# Altium PCB Main_Board.PcbDoc (part 1 of 3)
Units mil, origin at the board's own origin, x right, y up, seen from the top; angles counter-clockwise.
Board outline 5511.81 x 7874.02 mil, 2 copper layers (Top Layer, Bottom Layer); 358 components, 312 nets, 1221 pads, 226 vias.
Unrouted connection lines stored in the file: 6.
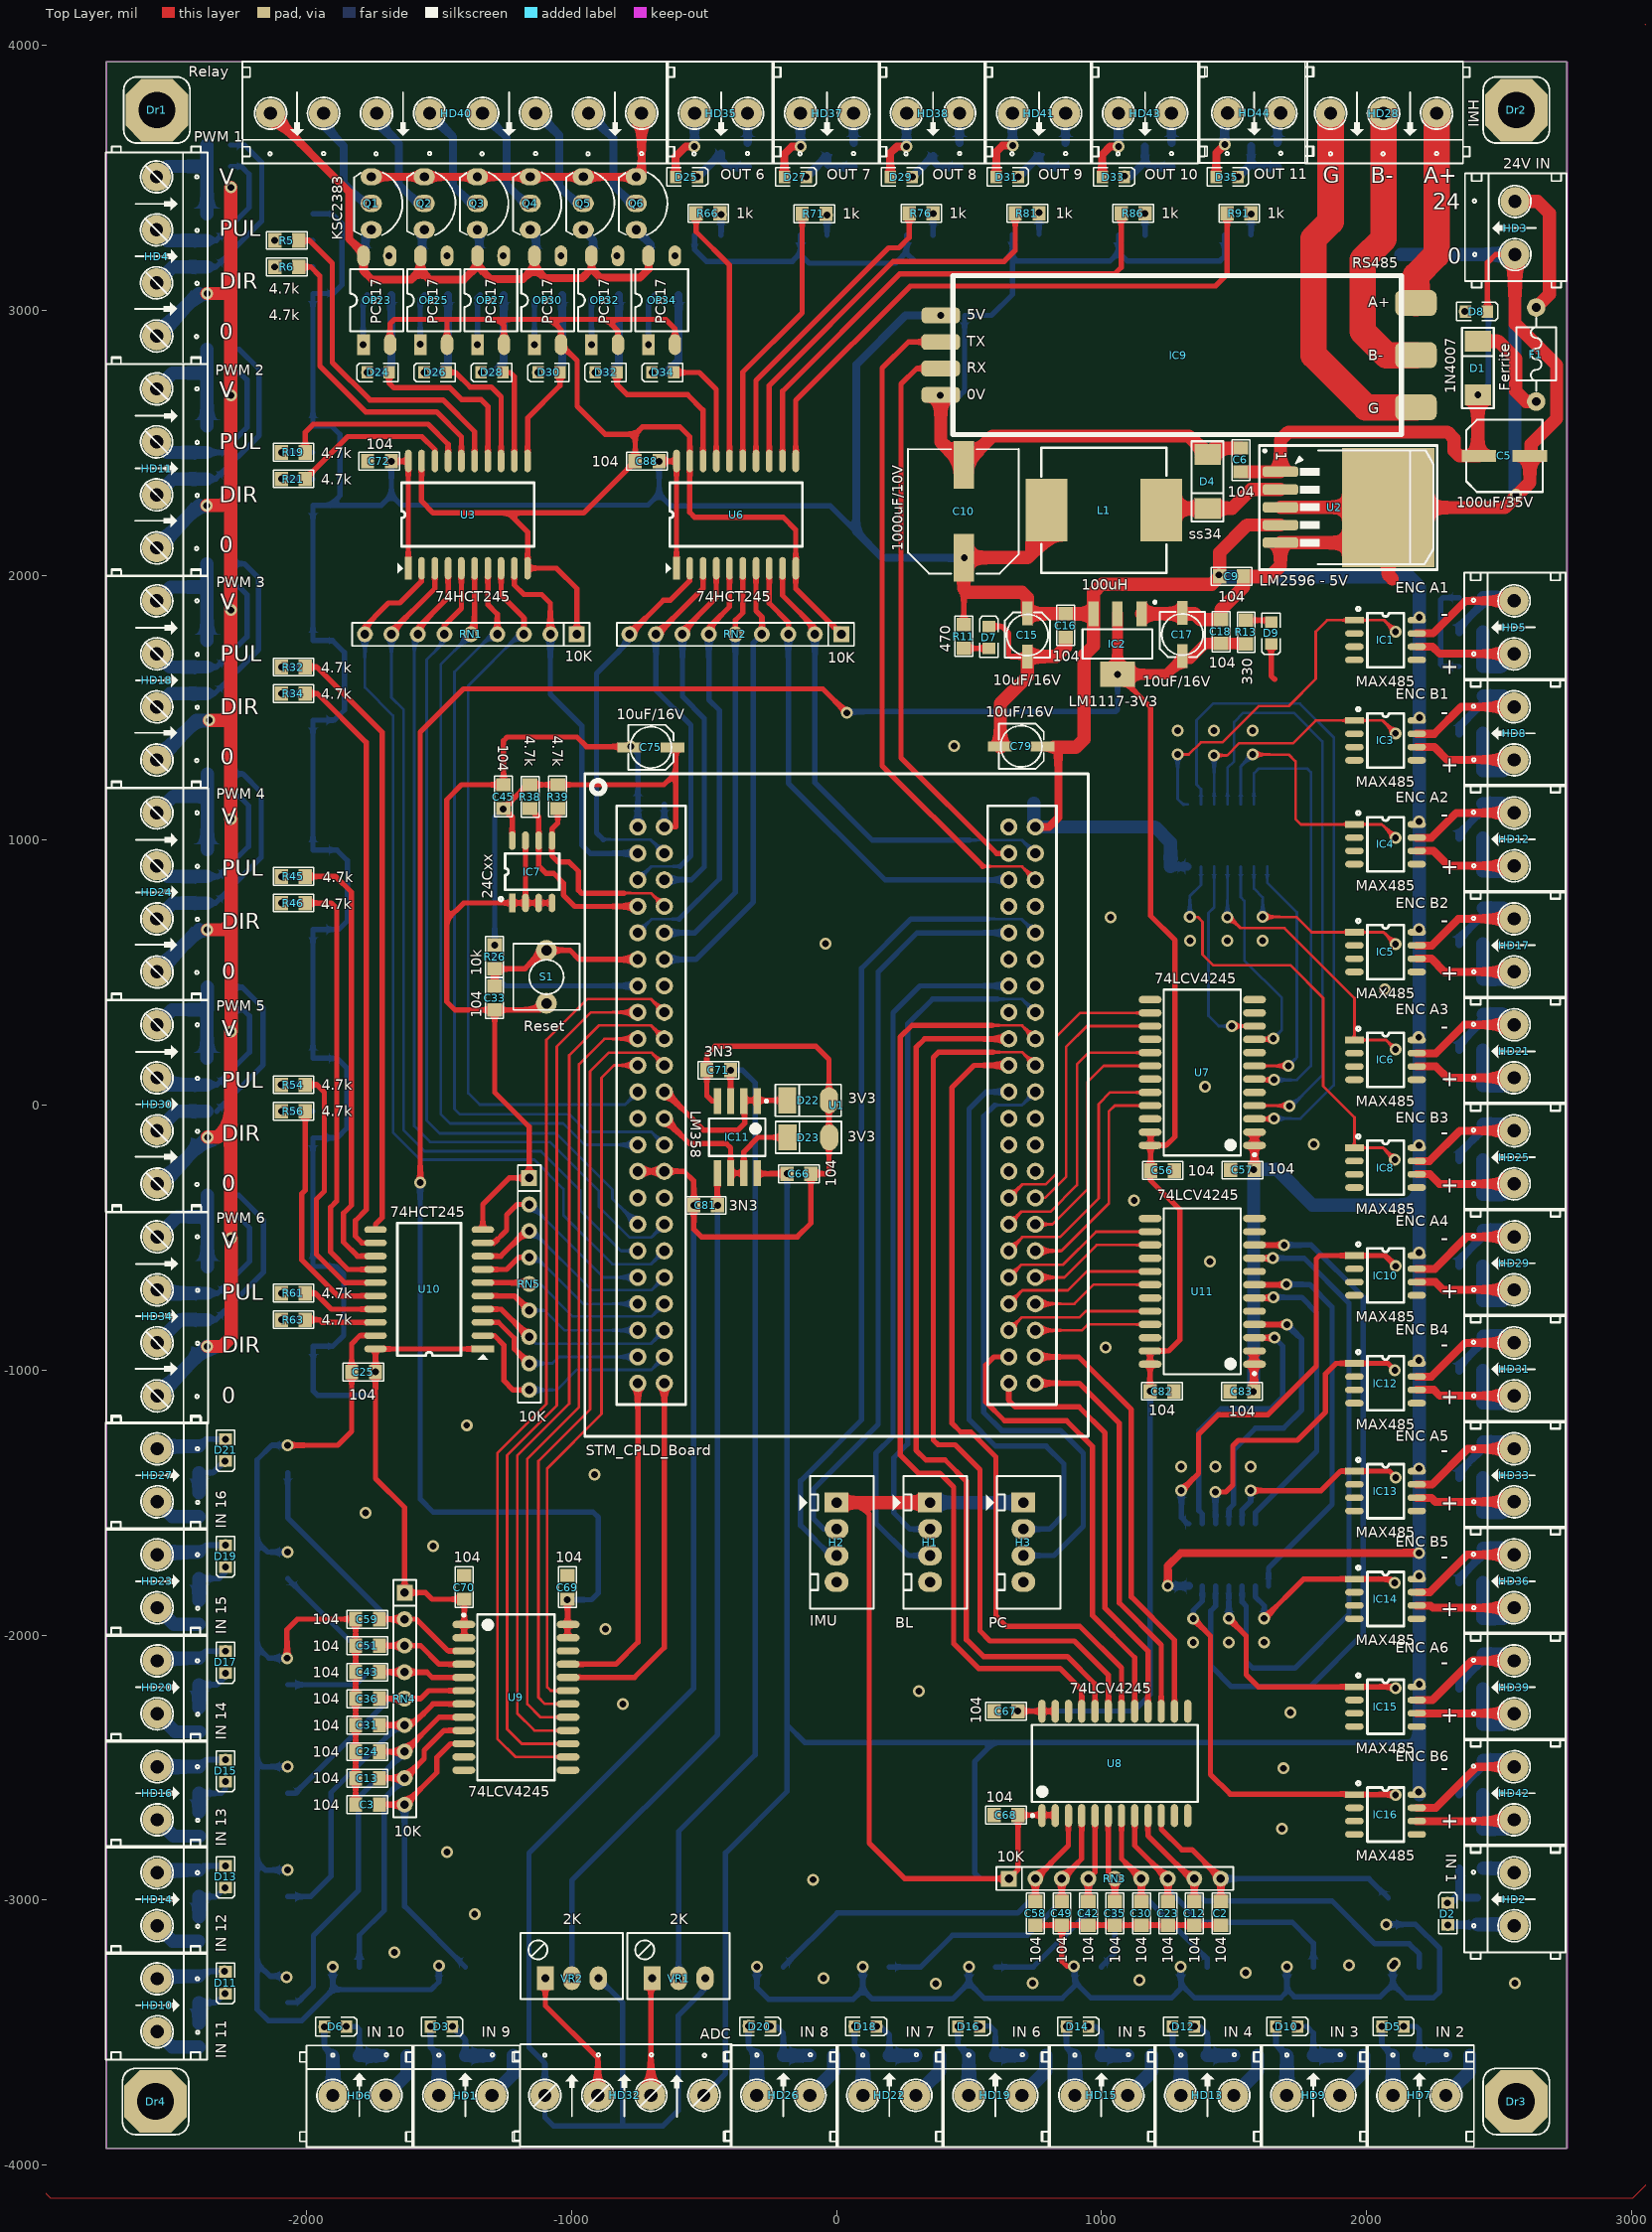
[diagram p0: Top Layer view]
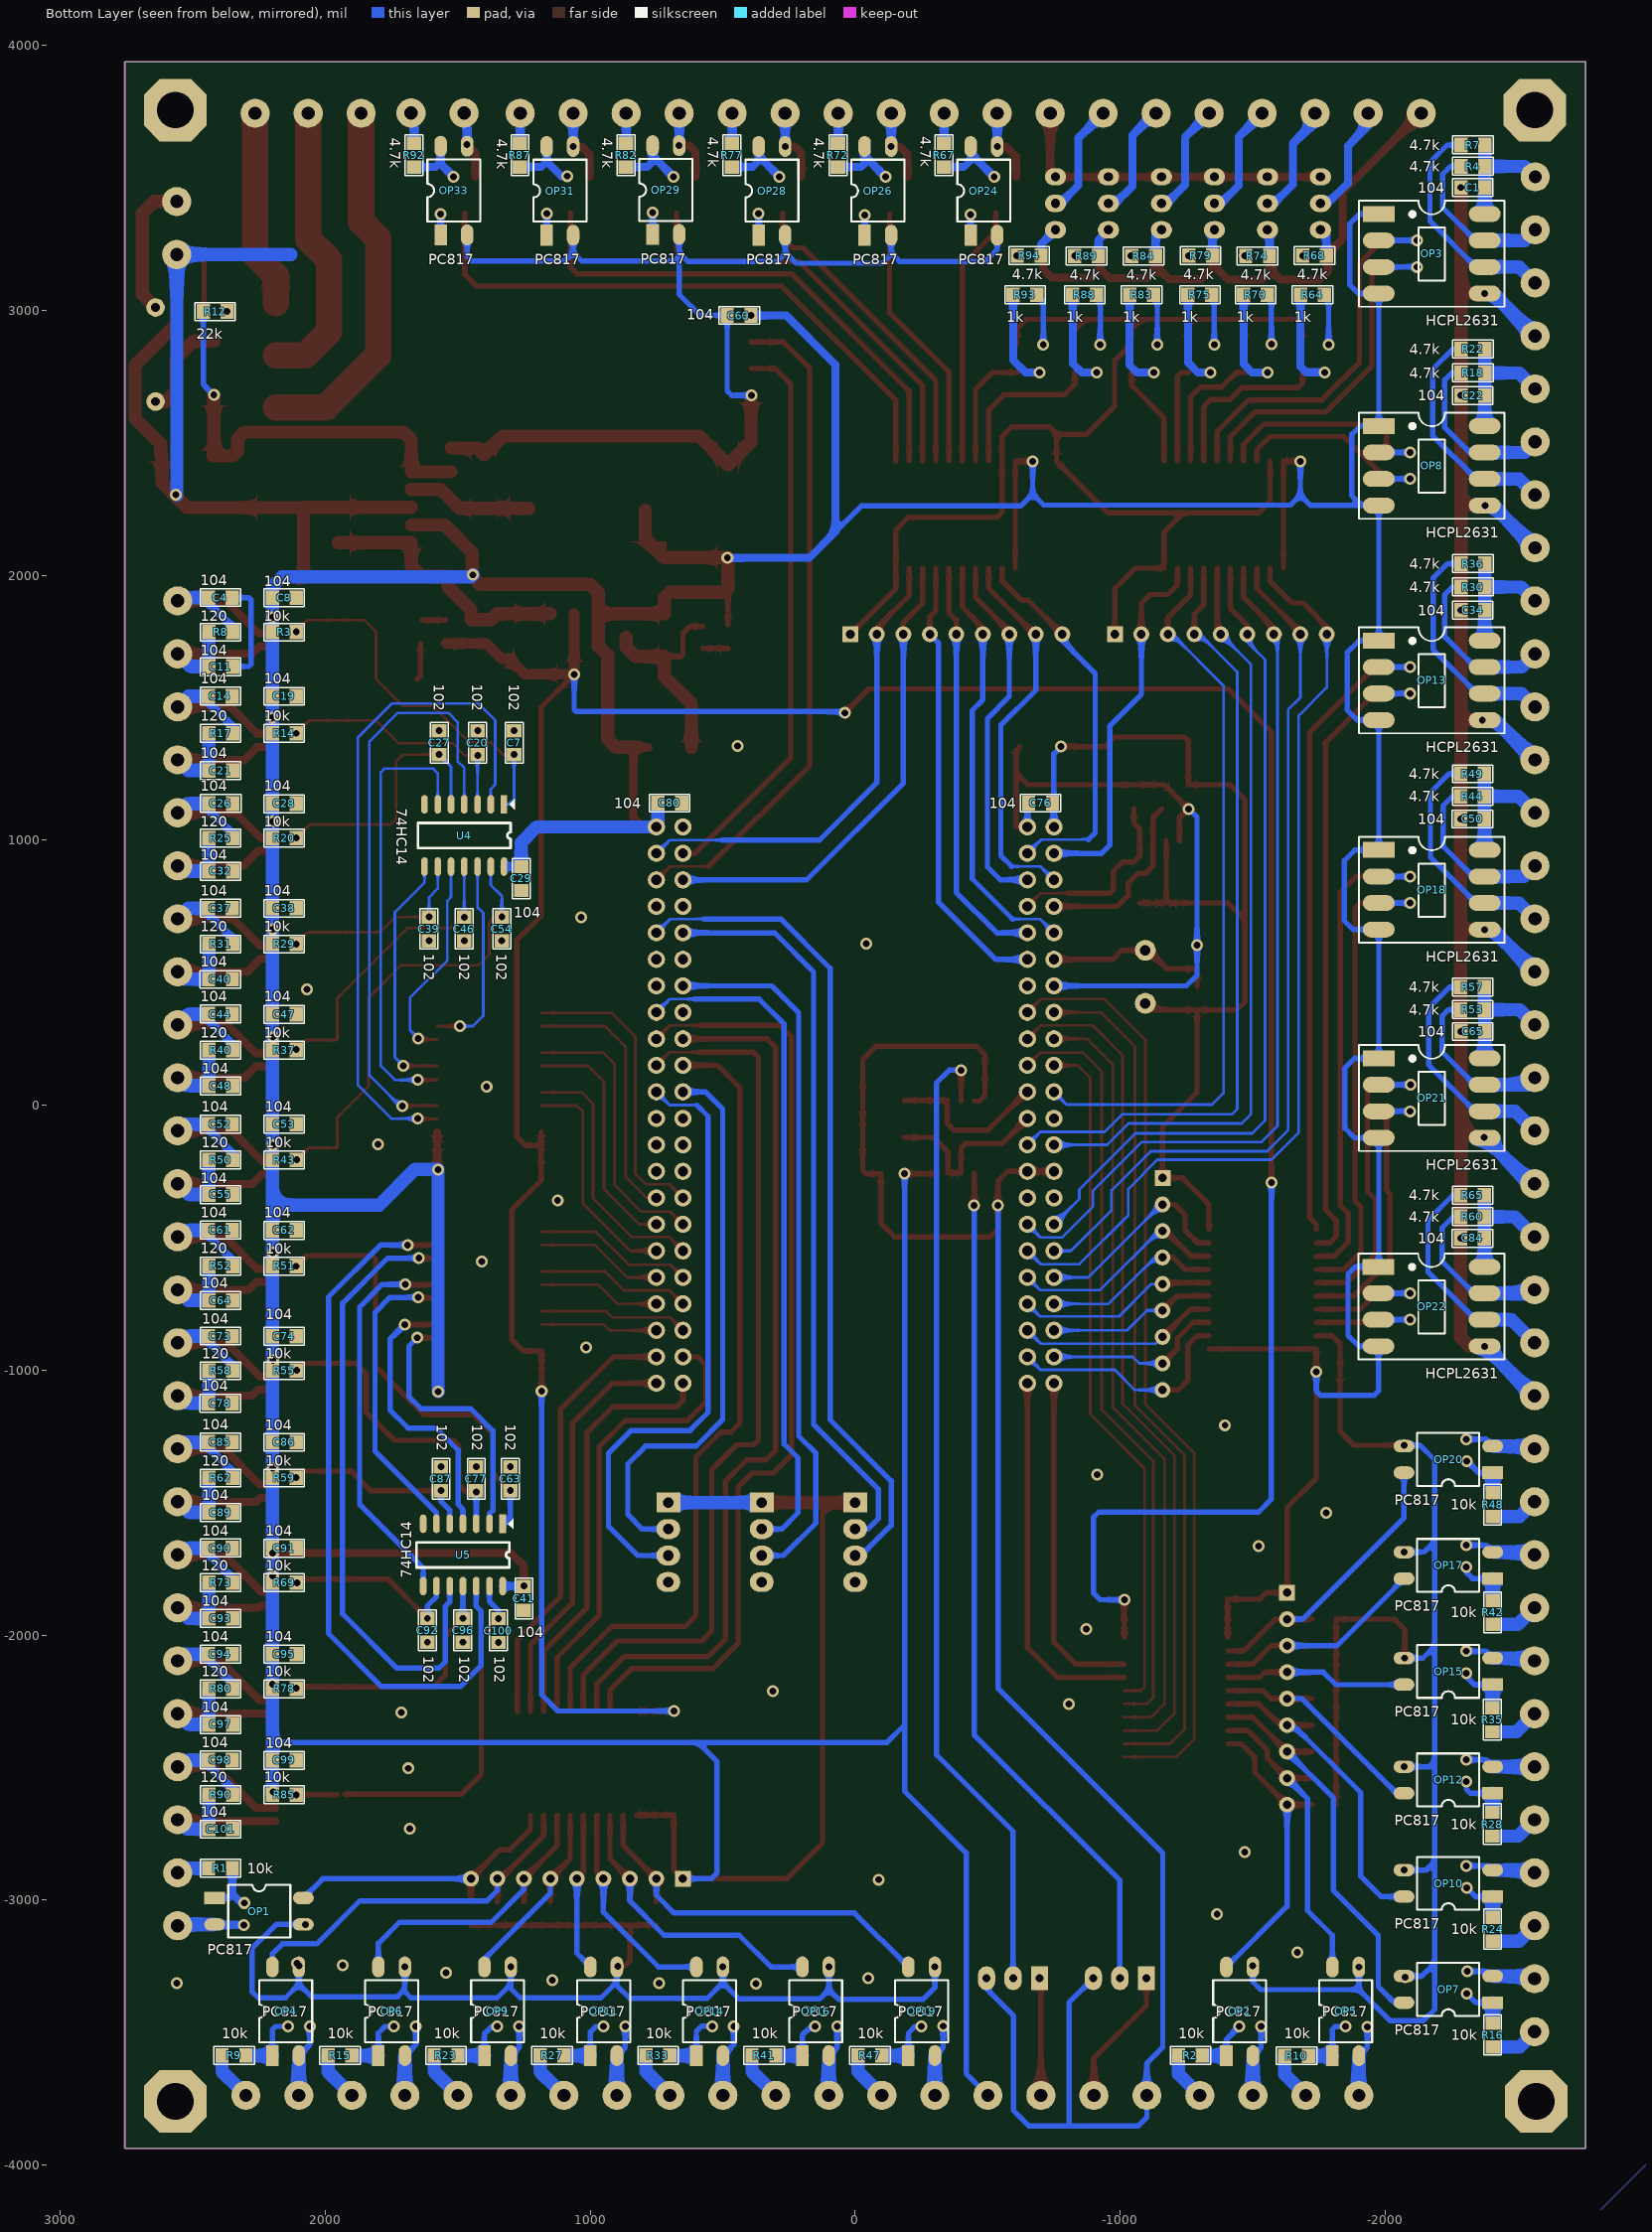
[diagram p1: Bottom Layer view, seen from below]

## Layer stack, top to bottom
Top Solder: solder mask 0.4, Solder Resist, Dk 3.5
Top Layer: signal copper 1.4
Dielectric 1: dielectric 12.6, FR-4, Dk 4.8
Bottom Layer: signal copper 1.4
Bottom Solder: solder mask 0.4, Solder Resist, Dk 3.5

## Board outline
-2755.91,-3937.01 2755.91,-3937.01 2755.91,3937.01 -2755.91,3937.01

## Design rules (kind name [scope] priority, off if disabled: settings)
Clearance Polygon [InPolygon] p1: gap=20
Clearance General [All] p2: gap=10
ComponentClearance [All] p1 off: gap=10 collisioncheckmode=3 verticalgap=10 showdistances=FALSE
PolygonConnect [All] p1: connectstyle=Relief reliefconductorwidth=10 reliefentries=4 polygonreliefangle="90 Angle" airgapwidth=10
RoutingVias [All] p1: holewidth=28 width=50 viastyle="Through Hole" minholewidth=24 minwidth=40 maxholewidth=26 maxwidth=45
SolderMaskExpansion [All] p1: expansion=4
Width [All] p1: maxlimit=100 minlimit=10 preferedwidth=50
29 further rules are at their usual default settings.

## Components (designator, comment, footprint, x,y, rotation, side; value= is the part's Value field where it differs from the comment)
C1 "104" CAP-SM-0805 -2285.91,3462.99 r180 bottom
C2 "104" CAP-SM-0805 1450,-3095 r90 top
C3 "104" CAP-SM-0805 -1815,-2640 r0 top
C4 "104" CAP-SM-0805 2350.09,1915 r0 bottom
C5 "100uF/35V" Cap_Alu_D8 2390,2450 r0 top
C6 "104" CAP-SM-0805 1525,2390 r90 top
C7 "102" CAP-SM-0805 1287,1323 r90 bottom
C8 "104" CAP-SM-0805 2199.09,1915 r180 bottom
C9 "104" CAP-SM-0805 1535,1995 r180 top
C10 "1000uF/10V" Cap_Alu_G 480,2400 r270 top
C11 "104" CAP-SM-0805 2439.09,1655 r180 bottom
C12 "104" CAP-SM-0805 1350,-3095 r90 top
C13 "104" CAP-SM-0805 -1815,-2540 r0 top
C14 "104" CAP-SM-0805 2350.09,1542.99 r0 bottom
C15 "10uF/16V" CAP_ALU_B 720,1855 r270 top
C16 "104" CAP-SM-0805 865,1855 r270 top
C17 "10uF/16V" CAP_ALU_B 1305,1695 r90 top
C18 "104" CAP-SM-0805 1450,1742 r90 top
C19 "104" CAP-SM-0805 2199.09,1542.99 r180 bottom
C20 "102" CAP-SM-0805 1425,1323 r90 bottom
C21 "104" CAP-SM-0805 2439.09,1262.99 r180 bottom
C22 "104" CAP-SM-0805 -2285.91,2677.99 r180 bottom
C23 "104" CAP-SM-0805 1250,-3095 r90 top
C24 "104" CAP-SM-0805 -1815,-2440 r0 top
C25 "104" CAP-SM-0805 -1830,-1007 r0 top
C26 "104" CAP-SM-0805 2349.09,1137.99 r0 bottom
C27 "102" CAP-SM-0805 1570,1323 r90 bottom
C28 "104" CAP-SM-0805 2199.09,1137.99 r180 bottom
C29 "104" CAP-SM-0805 1260,810 r90 bottom
C30 "104" CAP-SM-0805 1150,-3095 r90 top
C31 "104" CAP-SM-0805 -1815,-2340 r0 top
C32 "104" CAP-SM-0805 2439.09,882.99 r180 bottom
C33 "104" CAP-SM-0805 -1290,449 r270 top
C34 "104" CAP-SM-0805 -2285.91,1867.99 r180 bottom
C35 "104" CAP-SM-0805 1050,-3095 r90 top
C36 "104" CAP-SM-0805 -1815,-2240 r0 top
C37 "104" CAP-SM-0805 2350.09,742.99 r0 bottom
C38 "104" CAP-SM-0805 2199.09,742.99 r180 bottom
C39 "102" CAP-SM-0805 1608,710 r270 bottom
C40 "104" CAP-SM-0805 2440,475 r180 bottom
C41 "104" CAP-SM-0805 1250,-1907 r90 bottom
C42 "104" CAP-SM-0805 950,-3095 r90 top
C43 "104" CAP-SM-0805 -1815,-2140 r0 top
C44 "104" CAP-SM-0805 2350.09,342.99 r0 bottom
C45 "104" CAP-SM-0805 -1257,1209 r270 top
C46 "102" CAP-SM-0805 1475,710 r270 bottom
C47 "104" CAP-SM-0805 2199.09,342.99 r180 bottom
C48 "104" CAP-SM-0805 2439.09,72.99 r180 bottom
C49 "104" CAP-SM-0805 850,-3095 r90 top
C50 "104" CAP-SM-0805 -2285,1080 r180 bottom
C51 "104" CAP-SM-0805 -1815,-2040 r0 top
C52 "104" CAP-SM-0805 2350.09,-72.01 r0 bottom
C53 "104" CAP-SM-0805 2199.09,-72.01 r180 bottom
C54 "102" CAP-SM-0805 1333,710 r270 bottom
C55 "104" CAP-SM-0805 2439.09,-337.01 r180 bottom
C56 "104" CAP-SM-0805 1275,-247.01 r180 top
C57 "104" CAP-SM-0805 1487,-245 r0 top
C58 "104" CAP-SM-0805 750,-3095 r90 top
C59 "104" CAP-SM-0805 -1815,-1940 r0 top
C60 "104" CAP-SM-0805 393,2980 r0 bottom
C61 "104" CAP-SM-0805 2350.09,-472.01 r0 bottom
C62 "104" CAP-SM-0805 2199.09,-472.01 r180 bottom
C63 "102" CAP-SM-0805 1301,-1455 r90 bottom
C64 "104" CAP-SM-0805 2439.09,-737.01 r180 bottom
C65 "104" CAP-SM-0805 -2285.91,277.99 r180 bottom
C66 "104" CAP-SM-0805 -187,-259 r0 top
C67 "104" CAP-SM-0805 595,-2287.48 r0 top
C68 "104" CAP-SM-0805 595,-2679.33 r0 top
C69 "104" CAP-SM-0805 -1015,-1775 r270 top
C70 "104" CAP-SM-0805 -1405,-1775 r270 top
C71 "3N3" CAP-SM-0805 -490,132 r0 top
C72 "104" CAP-SM-0805 -1770,2430 r0 top
C73 "104" CAP-SM-0805 2350.1,-872.01 r0 bottom
C74 "104" CAP-SM-0805 2199.1,-872.01 r180 bottom
C75 "10uF/16V" CAP_ALU_B -620,1350 r180 top
C76 "104" CAP-SM-0805 -655,1140 r180 bottom
C77 "102" CAP-SM-0805 1430,-1455 r90 bottom
C78 "104" CAP-SM-0805 2440.09,-1124.74 r180 bottom
C79 "10uF/16V" CAP_ALU_B 778,1354 r180 top
C80 "104" CAP-SM-0805 745,1140 r180 bottom
C81 "3N3" CAP-SM-0805 -539,-378 r0 top
C82 "104" CAP-SM-0805 1273,-1080 r180 top
C83 "104" CAP-SM-0805 1485,-1080 r0 top
C84 "104" CAP-SM-0805 -2285,-502 r180 bottom
C85 "104" CAP-SM-0805 2350.09,-1272.01 r0 bottom
C86 "104" CAP-SM-0805 2199.09,-1272.01 r180 bottom
C87 "102" CAP-SM-0805 1563,-1455 r90 bottom
C88 "104" CAP-SM-0805 -760,2430 r0 top
C89 "104" CAP-SM-0805 2439.09,-1537.01 r180 bottom
C90 "104" CAP-SM-0805 2350.09,-1672.01 r0 bottom
C91 "104" CAP-SM-0805 2199.09,-1672.01 r180 bottom
C92 "102" CAP-SM-0805 1614,-1937 r270 bottom
C93 "104" CAP-SM-0805 2439.09,-1937.01 r180 bottom
C94 "104" CAP-SM-0805 2350.09,-2072.01 r0 bottom
C95 "104" CAP-SM-0805 2199.09,-2072.01 r180 bottom
C96 "102" CAP-SM-0805 1480,-1937.01 r270 bottom
C97 "104" CAP-SM-0805 2439.09,-2337.01 r180 bottom
C98 "104" CAP-SM-0805 2350.09,-2472.01 r0 bottom
C99 "104" CAP-SM-0805 2199.09,-2472.01 r180 bottom
C100 "102" CAP-SM-0805 1346,-1938 r270 bottom
C101 "104" CAP-SM-0805 2439.09,-2732.01 r180 bottom
D1 "1N4007" DO-214AB 2415,2780 r270 top
D2 "LED" LED_0805_Blue 2306.59,-3052.01 r90 top
D3 "LED" LED_0805_Blue -1490.91,-3477.4 r0 top
D4 "ss34" DO-214AB 1405,2355 r90 top
D5 "LED" LED_0805_Blue 2099.09,-3477.01 r0 top
D6 "LED" LED_0805_Blue -1890.91,-3477.4 r0 top
D7 "LED" LED_0805_Blue 575,1765 r90 top
D8 "LED" LED_0805_Blue 2415,2995 r0 top
D9 "LED" LED_0805_Blue 1640,1781.34 r270 top
D10 "LED" LED_0805_Blue 1699.09,-3477.01 r0 top
D11 "LED" LED_0805_Blue -2305.91,-3312.01 r270 top
D12 "LED" LED_0805_Blue 1309.09,-3477.01 r0 top
D13 "LED" LED_0805_Blue -2305.91,-2912.01 r270 top
D14 "LED" LED_0805_Blue 909.09,-3477.01 r0 top
D15 "LED" LED_0805_Blue -2305.91,-2512.01 r270 top
D16 "LED" LED_0805_Blue 499.09,-3477.01 r0 top
D17 "LED" LED_0805_Blue -2305.91,-2102.01 r270 top
D18 "LED" LED_0805_Blue 109.09,-3477.01 r0 top
D19 "LED" LED_0805_Blue -2305.91,-1702.01 r270 top
D20 "LED" LED_0805_Blue -290.91,-3477.01 r0 top
D21 "LED" LED_0805_Blue -2305.91,-1302.01 r270 top
D22 "3V3" "Diode zener" -186,18 r0 top
D23 "3V3" "Diode zener" -185,-122 r0 top
D24 "LED" LED_0805_Blue -1730,2765 r180 top
D25 "LED" LED_0805_Blue -565.91,3502.99 r0 top
D26 "LED" LED_0805_Blue -1515,2765 r180 top
D27 "LED" LED_0805_Blue -155.91,3502.99 r0 top
D28 "LED" LED_0805_Blue -1300,2765 r180 top
D29 "LED" LED_0805_Blue 244.09,3502.99 r0 top
D30 "LED" LED_0805_Blue -1085,2765 r180 top
D31 "LED" LED_0805_Blue 644.09,3502.99 r0 top
D32 "LED" LED_0805_Blue -870,2765 r180 top
D33 "LED" LED_0805_Blue 1044.09,3502.99 r0 top
D34 "LED" LED_0805_Blue -655,2765 r180 top
D35 "LED" LED_0805_Blue 1474.09,3502.99 r0 top
Dr1 "Drill" "Drill 3mm" -2565,3755 r0 top
Dr2 "Drill" "Drill 3mm" 2565,3755 r0 top
Dr3 "Drill" "Drill 3mm" 2565,-3760 r0 top
Dr4 "Drill" "Drill 3mm" -2570,-3760 r0 top
F1 "Ferrite" Ferrite 2640,3010 r270 top
H1 "BL" "Header White 4" 352.5,-1500 r270 top
H2 "IMU" "Header White 4" 0,-1500 r270 top
H3 "PC" "Header White 4" 705,-1500 r270 top
HD1 "IN 9" "Domino 2" -1500.91,-3737.4 r0 top
HD2 "IN 1" "Domino 2" 2556.59,-3097.01 r90 top
HD3 "24V IN" "Domino 2" 2560,3210 r90 top
HD4 "PWM 1" "Domino 4" -2566.3,3502.99 r270 top
HD5 "ENC A1" "Domino 2" 2556.59,1702.99 r90 top
HD6 "IN 10" "Domino 2" -1900.91,-3737.4 r0 top
HD7 "IN 2" "Domino 2" 2099.09,-3737.01 r0 top
HD8 "ENC B1" "Domino 2" 2556.59,1302.99 r90 top
HD9 "IN 3" "Domino 2" 1699.09,-3737.01 r0 top
HD10 "IN 11" "Domino 2" -2563.94,-3297.01 r270 top
HD11 "PWM 2" "Domino 4" -2565.91,2702.99 r270 top
HD12 "ENC A2" "Domino 2" 2556.59,902.99 r90 top
HD13 "IN 4" "Domino 2" 1299.09,-3737.01 r0 top
HD14 "IN 12" "Domino 2" -2563.94,-2897.01 r270 top
HD15 "IN 5" "Domino 2" 899.09,-3737.01 r0 top
HD16 "IN 13" "Domino 2" -2563.94,-2497.01 r270 top
HD17 "ENC B2" "Domino 2" 2556.59,502.99 r90 top
HD18 "PWM 3" "Domino 4" -2565.51,1902.99 r270 top
HD19 "IN 6" "Domino 2" 499.09,-3737.01 r0 top
HD20 "IN 14" "Domino 2" -2563.94,-2097.01 r270 top
HD21 "ENC A3" "Domino 2" 2556.59,102.99 r90 top
HD22 "IN 7" "Domino 2" 99.09,-3737.01 r0 top
HD23 "IN 15" "Domino 2" -2563.94,-1697.01 r270 top
HD24 "PWM 4" "Domino 4" -2565.12,1102.99 r270 top
HD25 "ENC B3" "Domino 2" 2556.59,-297.01 r90 top
HD26 "IN 8" "Domino 2" -300.91,-3737.01 r0 top
HD27 "IN 16" "Domino 2" -2563.94,-1297.01 r270 top
HD28 "HMI" "Domino 3" 2264.09,3742.99 r180 top
HD29 "ENC A4" "Domino 2" 2556.59,-697.01 r90 top
HD30 "PWM 5" "Domino 4" -2564.73,302.99 r270 top
HD31 "ENC B4" "Domino 2" 2556.59,-1097.01 r90 top
HD32 "ADC" "Domino 4" -1100.91,-3737.4 r0 top
HD33 "ENC A5" "Domino 2" 2556.59,-1497.01 r90 top
HD34 "PWM 6" "Domino 4" -2564.33,-497.01 r270 top
HD35 "OUT 6" "Domino 2" -335.91,3742.99 r180 top
HD36 "ENC B5" "Domino 2" 2556.59,-1897.01 r90 top
HD37 "OUT 7" "Domino 2" 64.09,3742.99 r180 top
HD38 "OUT 8" "Domino 2" 464.09,3742.99 r180 top
HD39 "ENC A6" "Domino 2" 2556.59,-2297.01 r90 top
HD40 "Relay" "Domino 8" -735.91,3742.99 r180 top
HD41 "OUT 9" "Domino 2" 864.09,3742.99 r180 top
HD42 "ENC B6" "Domino 2" 2556.59,-2697.01 r90 top
HD43 "OUT 10" "Domino 2" 1264.09,3742.99 r180 top
HD44 "OUT 11" "Domino 2" 1676,3744 r180 top
IC1 "MAX485" SOIC8 1954.09,1830 r0 top
IC2 "LM1117-3V3" SOT223-4N 1060,1740 r270 top
IC3 "MAX485" SOIC8 1954.09,1451.17 r0 top
IC4 "MAX485" SOIC8 1954.09,1059.35 r0 top
IC5 "MAX485" SOIC8 1954.09,652.54 r0 top
IC6 "MAX485" SOIC8 1954.09,245.72 r0 top
IC7 "24Cxx" SOIC8 -1224,763 r90 top